# Altium PCB PCB_Template.PcbDoc (part 2 of 6)
Units mm, origin at the board's own origin, x right, y up, seen from the top; angles counter-clockwise.
Board outline 93 x 50 mm, 4 copper layers (Top Layer, Int1 (GND), Int2 (PWR), Bottom Layer), stack 1.369 mm thick; 176 components, 236 nets, 978 pads, 657 vias.
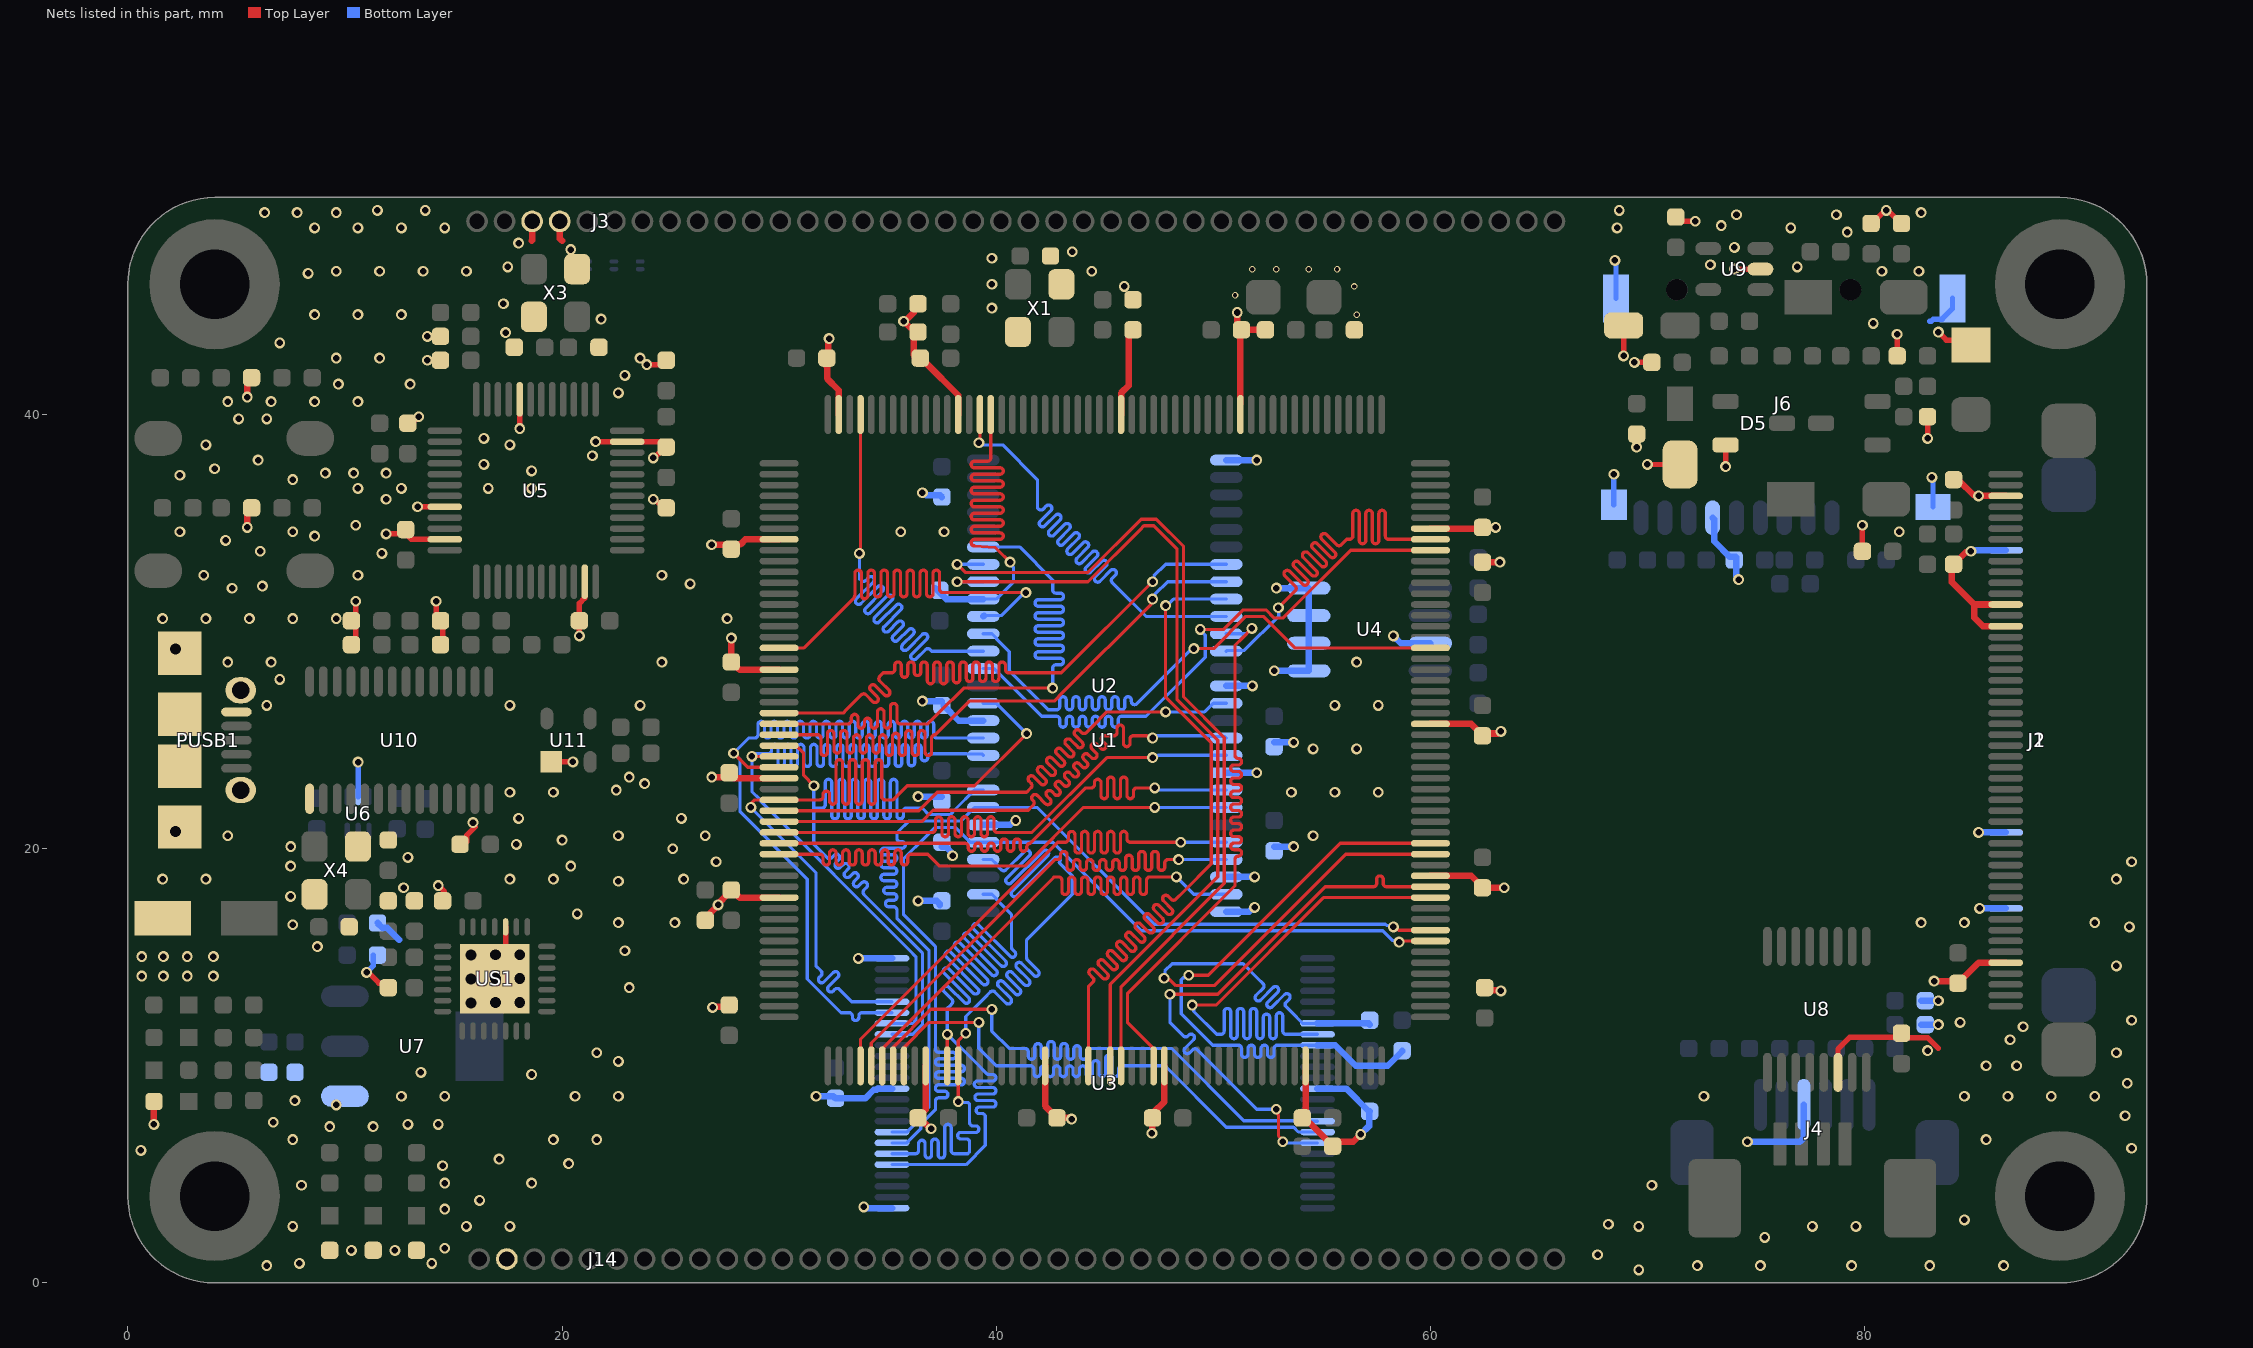
[diagram p4: the nets of this part, all layers, seen from the top]

## Via types
v1: diameter 0.5, hole 0.3, Top Layer to Bottom Layer, tented both sides, 457 vias
v2: diameter 0.5/0.5 (per signal layer), hole 0.3, Top Layer to Bottom Layer, tented both sides, 152 vias
v3: diameter 0.8, hole 0.5, Top Layer to Bottom Layer, 32 vias
v4: diameter 0.7/0.5 (per signal layer), hole 0.5, Top Layer to Bottom Layer, tented both sides, 9 vias
v5: diameter 0.3, hole 0.2, Top Layer to Bottom Layer, tented both sides, 7 vias

## Nets (pads, with @x,y where several pads share a name; then routed paths per layer and width w, separated by ;. In a path a pad name is that pad's centre, name@x,y a point inside that pad or via, vN(x,y) a via of type N, cw(c..) or ccw(c..) an arc to the next point about the centre after c; other vN are vias at no path point) (continued)
FMC_A9: U1.76 U2.34 | length 39
  Top Layer w0.15: U1.76@30,26.25 32.95,26.25 33.1,26.4 33.789,27.089 cw(c33.895,26.983) 34.002,27.089 34.312,26.779 ccw(c34.418,26.885) 34.525,26.779 ccw(c34.418,26.885) 34.525,26.991 34.213,27.302 cw(c34.319,27.408) 34.213,27.514 cw(c34.319,27.408) 34.425,27.514 34.851,27.088 ccw(c34.957,27.195) 35.063,27.088 ccw(c34.957,27.195) 35.063,27.301 34.638,27.726 cw(c34.744,27.832) 34.638,27.938 34.8,28.1 35.1,28.1 35.175,28.1 ccw(c35.175,28.25) 35.325,28.25 35.325,28.45 cw(c35.475,28.45) 35.625,28.45 35.625,28.047 ccw(c35.775,28.047) 35.925,28.047 35.925,28.45 cw(c36.075,28.45) 36.225,28.45 36.225,28.125 ccw(c36.375,28.125) 36.525,28.125 36.525,28.45 cw(c36.675,28.45) 36.825,28.45 36.825,27.75 ccw(c36.975,27.75) 37.125,27.75 37.125,28.45 cw(c37.275,28.45) 37.425,28.45 37.425,27.75 ccw(c37.575,27.75) 37.725,27.75 37.725,28.45 cw(c37.875,28.45) 38.025,28.45 38.025,27.794 ccw(c38.175,27.794) 38.325,27.794 38.325,28.45 cw(c38.475,28.45) 38.625,28.45 38.625,27.85 ccw(c38.775,27.85) 38.925,27.85 38.925,28.45 cw(c39.075,28.45) 39.225,28.45 39.225,27.85 ccw(c39.375,27.85) 39.525,27.85 39.525,28.45 cw(c39.675,28.45) 39.825,28.45 39.825,27.85 ccw(c39.975,27.85) 40.125,27.85 40.125,28.45 cw(c40.275,28.45) 40.425,28.45 40.425,28.25 ccw(c40.575,28.25) 40.575,28.1 41.003,28.1 43,28.1 v1(47.2,32.3)
  Bottom Layer w0.15: v1(47.2,32.3) 47.267,32.367 47.267,32.567 47.8,33.1 U2.34@50.6,33.1
FMC_A10: U1.77 U2.22 | length 39.5
  Top Layer w0.15: U1.77@30,25.75 32.504,25.75 33.179,25.75 ccw(c33.179,25.9) 33.329,25.9 33.329,26.039 cw(c33.479,26.039) 33.629,26.039 33.629,25.7 ccw(c33.779,25.7) 33.929,25.7 33.929,25.861 cw(c34.079,25.861) 34.229,25.861 34.229,25.7 ccw(c34.379,25.7) 34.529,25.7 34.529,26.297 cw(c34.679,26.297) 34.829,26.297 34.829,25.7 ccw(c34.979,25.7) 35.129,25.7 35.129,26.545 cw(c35.279,26.545) 35.429,26.545 35.429,25.9 ccw(c35.579,25.9) 35.579,25.75 36.85,25.75 37.4,26.3 38.5,27.4 v1(42.6,27.4)
  Bottom Layer w0.15: U2.22@39.4,33.9 41.074,33.9 42.6,32.374 42.6,31.997 42.6,31.922 ccw(c42.75,31.922) 42.75,31.772 42.95,31.772 cw(c42.95,31.622) 42.95,31.472 41.939,31.472 ccw(c41.939,31.322) 41.939,31.172 42.95,31.172 cw(c42.95,31.022) 42.95,30.872 41.939,30.872 ccw(c41.939,30.722) 41.939,30.572 42.95,30.572 cw(c42.95,30.422) 42.95,30.272 41.939,30.272 ccw(c41.939,30.122) 41.939,29.972 42.95,29.972 cw(c42.95,29.822) 42.95,29.672 41.939,29.672 ccw(c41.939,29.522) 41.939,29.372 42.95,29.372 cw(c42.95,29.222) 42.95,29.072 41.939,29.072 ccw(c41.939,28.922) 41.939,28.772 42.95,28.772 cw(c42.95,28.622) 42.95,28.472 42.75,28.472 ccw(c42.75,28.322) 42.6,28.322 42.6,27.8 v1(42.6,27.4)
FMC_A11: U1.78 U2.35 | length 39.5
  Top Layer w0.15: U1.78@30,25.25 31.4,25.25 31.775,25.25 cw(c31.775,25.1) 31.925,25.1 31.925,24.44 ccw(c32.075,24.44) 32.225,24.44 32.225,25.3 cw(c32.375,25.3) 32.525,25.3 32.525,24.552 ccw(c32.675,24.552) 32.825,24.552 32.825,25.3 cw(c32.975,25.3) 33.125,25.3 33.125,24.552 ccw(c33.275,24.552) 33.425,24.552 33.425,25.1 cw(c33.575,25.1) 33.725,25.1 33.725,24.552 ccw(c33.875,24.552) 34.025,24.552 34.025,25.1 cw(c34.175,25.1) 34.325,25.1 34.325,24.552 ccw(c34.475,24.552) 34.625,24.552 34.625,25.1 cw(c34.775,25.1) 34.925,25.1 34.925,24.44 ccw(c35.075,24.44) 35.225,24.44 35.225,25.171 cw(c35.375,25.171) 35.525,25.171 35.525,24.44 ccw(c35.675,24.44) 35.825,24.44 35.825,25.3 cw(c35.975,25.3) 36.125,25.3 36.125,24.44 ccw(c36.275,24.44) 36.425,24.44 36.425,25.3 cw(c36.575,25.3) 36.725,25.3 36.725,24.44 ccw(c36.875,24.44) 37.025,24.44 37.025,25.1 cw(c37.175,25.1) 37.175,25.25 37.2,25.25 37.568,25.617 38.75,26.8 42.672,26.8 43.075,27.203 47.133,31.261 47.133,31.433 v1(47.2,31.5)
  Bottom Layer w0.15: v1(47.2,31.5) 47.2,31.594 47.335,31.73 47.335,31.735 47.9,32.3 U2.35@50.6,32.3
FMC_A12: U1.129 U2.36 | length 39.4
  Top Layer w0.15: U1.129@44.25,10 44.25,13.65 44.4,13.8 44.453,13.853 ccw(c44.347,13.959) 44.453,14.065 44.312,14.207 cw(c44.418,14.313) 44.312,14.419 cw(c44.418,14.313) 44.524,14.419 44.903,14.039 ccw(c45.009,14.146) 45.115,14.039 ccw(c45.009,14.146) 45.115,14.252 44.736,14.631 cw(c44.842,14.737) 44.736,14.843 cw(c44.842,14.737) 44.948,14.843 45.327,14.464 ccw(c45.433,14.57) 45.539,14.464 ccw(c45.433,14.57) 45.539,14.676 45.16,15.055 cw(c45.266,15.161) 45.16,15.267 cw(c45.266,15.161) 45.372,15.267 45.752,14.888 ccw(c45.858,14.994) 45.964,14.888 ccw(c45.858,14.994) 45.964,15.1 45.584,15.479 cw(c45.69,15.585) 45.584,15.692 cw(c45.69,15.585) 45.797,15.692 46.176,15.312 ccw(c46.282,15.418) 46.388,15.312 ccw(c46.282,15.418) 46.388,15.524 46.009,15.904 cw(c46.115,16.01) 46.009,16.116 cw(c46.115,16.01) 46.221,16.116 46.6,15.736 ccw(c46.706,15.843) 46.812,15.736 ccw(c46.706,15.843) 46.812,15.949 46.433,16.328 cw(c46.539,16.434) 46.433,16.54 cw(c46.539,16.434) 46.645,16.54 47.024,16.161 ccw(c47.13,16.267) 47.236,16.161 ccw(c47.13,16.267) 47.236,16.373 46.857,16.752 cw(c46.963,16.858) 46.857,16.964 cw(c46.963,16.858) 47.069,16.964 47.449,16.585 ccw(c47.555,16.691) 47.661,16.585 ccw(c47.555,16.691) 47.661,16.797 47.281,17.176 cw(c47.388,17.283) 47.281,17.389 cw(c47.388,17.283) 47.494,17.389 47.873,17.009 ccw(c47.979,17.115) 48.085,17.009 ccw(c47.979,17.115) 48.085,17.221 47.706,17.601 cw(c47.812,17.707) 47.706,17.813 cw(c47.812,17.707) 47.918,17.813 48.059,17.671 ccw(c48.165,17.777) 48.271,17.671 48.63,18.03 49.9,19.3 49.9,24.872 47.8,26.972 v1(47.8,31.2)
  Bottom Layer w0.15: v1(47.8,31.2) 47.863,31.2 48.163,31.5 U2.36@50.6,31.5
FMC_ALE: U1.112 U3.17 | length 29.8
  Top Layer w0.15: U1.112@35.75,10 35.779,10.029 35.779,10.879 36.9,12 v1(39.2,12)
  Bottom Layer w0.15: v1(39.2,12) 39.2,10.8 40,10 41.3,10 41.586,10 cw(c41.586,9.85) 41.736,9.85 41.736,9.65 ccw(c41.886,9.65) 42.036,9.65 42.036,9.85 cw(c42.186,9.85) 42.336,9.85 42.336,9.65 ccw(c42.486,9.65) 42.636,9.65 42.636,9.85 cw(c42.786,9.85) 42.936,9.85 42.936,9.65 ccw(c43.086,9.65) 43.236,9.65 43.236,9.85 cw(c43.386,9.85) 43.536,9.85 43.536,9.65 ccw(c43.686,9.65) 43.836,9.65 43.836,9.85 cw(c43.986,9.85) 44.136,9.85 44.136,9.65 ccw(c44.286,9.65) 44.436,9.65 44.436,10.09 cw(c44.586,10.09) 44.736,10.09 44.736,9.65 ccw(c44.886,9.65) 45.036,9.65 45.036,10.35 cw(c45.186,10.35) 45.336,10.35 45.336,9.65 ccw(c45.486,9.65) 45.636,9.65 45.636,9.85 cw(c45.786,9.85) 45.786,10 45.861,10 47.775,10 50.6,7.175 53.697,7.175 53.921,6.951 54.799,6.951 U3.17@54.8,6.95
FMC_BA0: U1.131 U2.20 | length 39.5
  Top Layer w0.15: v1(38.2,32.3) 44.228,32.3 46.628,34.7 46.803,34.875 47.252,34.875 48.331,33.797 48.331,26.866 50.2,24.996 50.2,18.7 45.25,13.75 U1.131@45.25,10
  Bottom Layer w0.15: v1(38.2,32.3) U2.20@39.4,32.3
FMC_BA1: U1.132 U2.21 | length 40
  Top Layer w0.15: v1(38.2,33.1) 38.575,32.725 44.229,32.725 46.679,35.175 47.376,35.175 48.631,33.921 48.631,26.99 50.5,25.12 50.5,18.4 45.75,13.65 U1.132@45.75,10
  Bottom Layer w0.15: v1(38.2,33.1) U2.21@39.4,33.1
FMC_CLE: U1.111 U3.16 | length 29.4
  Top Layer w0.15: U1.111@35.25,10 35.279,10.029 35.279,10.885 36.994,12.6 v1(39.8,12.6)
  Bottom Layer w0.15: v1(39.8,12.6) 39.8,11.6 40.6,10.8 40.9,10.8 41.325,10.8 cw(c41.325,10.65) 41.475,10.65 41.475,10.45 ccw(c41.625,10.45) 41.775,10.45 41.775,10.875 cw(c41.925,10.875) 42.075,10.875 42.075,10.45 ccw(c42.225,10.45) 42.375,10.45 42.375,10.975 cw(c42.525,10.975) 42.675,10.975 42.675,10.45 ccw(c42.825,10.45) 42.975,10.45 42.975,10.879 cw(c43.125,10.879) 43.275,10.879 43.275,10.45 ccw(c43.425,10.45) 43.575,10.45 43.575,10.775 cw(c43.725,10.775) 43.875,10.775 43.875,10.45 ccw(c44.025,10.45) 44.175,10.45 44.175,10.65 cw(c44.325,10.65) 44.325,10.8 44.4,10.8 48.075,10.8 51.4,7.475 53.821,7.475 53.846,7.45 U3.16@54.8,7.45
FMC_D0: U1.116 U2.2 U3.29 | length 48.9
  Top Layer w0.15: U1.116@37.75,10 v1(37.75,11.45)
  Bottom Layer w0.15: U3.29@35.2,5.45 38.611,5.45 39.5,6.339 39.5,7.575 39.5,7.65 ccw(c39.35,7.65) 39.35,7.8 39.225,7.8 cw(c39.225,7.95) 39.225,8.1 39.837,8.1 ccw(c39.837,8.25) 39.837,8.4 39.169,8.4 cw(c39.169,8.55) 39.169,8.7 39.837,8.7 ccw(c39.837,8.85) 39.837,9 39.137,9 cw(c39.137,9.15) 39.137,9.3 39.837,9.3 ccw(c39.837,9.45) 39.837,9.6 39.662,9.6 cw(c39.662,9.75) 39.556,9.644 39.069,10.131 v1(37.75,11.45) 37.75,12.65 37.9,12.8 37.953,12.853 ccw(c37.847,12.959) 37.953,13.065 37.606,13.412 cw(c37.712,13.518) 37.606,13.624 cw(c37.712,13.518) 37.818,13.624 38.519,12.924 ccw(c38.625,13.03) 38.731,12.924 ccw(c38.625,13.03) 38.731,13.136 37.606,14.261 cw(c37.712,14.367) 37.606,14.473 cw(c37.712,14.367) 37.818,14.473 38.943,13.348 ccw(c39.049,13.454) 39.155,13.348 ccw(c39.049,13.454) 39.155,13.56 37.691,15.025 cw(c37.797,15.131) 37.691,15.237 cw(c37.797,15.131) 37.903,15.237 39.367,13.772 ccw(c39.473,13.878) 39.579,13.772 ccw(c39.473,13.878) 39.579,13.984 38.115,15.449 cw(c38.221,15.555) 38.115,15.661 cw(c38.221,15.555) 38.327,15.661 39.792,14.197 ccw(c39.898,14.303) 40.004,14.197 ccw(c39.898,14.303) 40.004,14.409 38.539,15.873 cw(c38.645,15.979) 38.539,16.085 cw(c38.645,15.979) 38.751,16.085 40.216,14.621 ccw(c40.322,14.727) 40.428,14.621 ccw(c40.322,14.727) 40.428,14.833 38.963,16.297 cw(c39.07,16.403) 38.963,16.51 cw(c39.07,16.403) 39.176,16.51 40.64,15.045 ccw(c40.746,15.151) 40.852,15.045 ccw(c40.746,15.151) 40.852,15.257 40.744,15.365 cw(c40.85,15.472) 40.7,15.472 40.7,16 40.7,16.972 40.022,17.65 40.022,17.684 39.805,17.9 U2.2@39.4,17.9
FMC_D1: U1.117 U2.4 U3.30 | length 47.4
  Top Layer w0.15: v1(38.25,8.35) 38.25,11.15 v1(38.6,11.5)
  Bottom Layer w0.15: U3.30@35.2,5.95 36.2,5.95 36.275,5.95 ccw(c36.275,6.1) 36.425,6.1 36.425,6.42 cw(c36.575,6.42) 36.725,6.42 36.725,5.9 ccw(c36.875,5.9) 37.025,5.9 37.025,6.475 cw(c37.175,6.475) 37.325,6.475 37.325,5.9 ccw(c37.475,5.9) 37.625,5.9 37.625,7.153 cw(c37.775,7.153) 37.925,7.153 37.925,6.1 ccw(c38.075,6.1) 38.075,5.95 38.687,5.95 38.7,5.963 38.775,6.038 38.775,6.144 38.775,6.481 ccw(c38.625,6.481) 38.625,6.631 38.375,6.631 cw(c38.375,6.781) 38.375,6.931 39.05,6.931 ccw(c39.05,7.081) 39.05,7.231 38.925,7.231 cw(c38.925,7.381) 38.775,7.381 38.775,8.056 38.775,8.225 38.686,8.314 38.286,8.314 v1(38.25,8.35) ; v1(38.6,11.5) 38.6,12.272 39.464,13.136 39.729,13.401 cw(c39.835,13.295) 39.941,13.401 40.449,12.894 ccw(c40.555,13) 40.661,12.894 ccw(c40.555,13) 40.661,13.106 40.105,13.662 cw(c40.211,13.768) 40.105,13.874 cw(c40.211,13.768) 40.317,13.874 40.873,13.318 ccw(c40.979,13.424) 41.085,13.318 ccw(c40.979,13.424) 41.085,13.53 40.529,14.086 cw(c40.635,14.192) 40.529,14.298 cw(c40.635,14.192) 40.742,14.298 41.297,13.742 ccw(c41.403,13.848) 41.51,13.742 ccw(c41.403,13.848) 41.51,13.954 40.954,14.51 cw(c41.06,14.616) 40.954,14.722 cw(c41.06,14.616) 41.166,14.722 41.722,14.166 ccw(c41.828,14.272) 41.934,14.166 ccw(c41.828,14.272) 41.934,14.379 41.444,14.868 cw(c41.55,14.974) 41.4,14.974 41.4,15.8 43.5,17.9 43.5,18.764 42.902,19.362 ccw(c42.795,19.468) 42.902,19.574 ccw(c42.796,19.468) 42.689,19.574 40.946,17.831 cw(c40.84,17.937) 40.734,17.831 cw(c40.84,17.937) 40.734,18.043 42.373,19.682 ccw(c42.267,19.788) 42.373,19.894 ccw(c42.267,19.788) 42.161,19.894 40.693,18.426 cw(c40.587,18.533) 40.481,18.426 cw(c40.587,18.533) 40.481,18.639 41.524,19.682 ccw(c41.418,19.788) 41.524,19.894 ccw(c41.418,19.788) 41.312,19.894 40.451,19.033 cw(c40.345,19.139) 40.239,19.033 40.186,19.086 40.022,19.25 40.022,19.284 39.805,19.5 U2.4@39.4,19.5
FMC_D2: U1.164 U2.5 U3.31 | length 49.4
  Top Layer w0.15: v1(58.558,15.7) 58.607,15.75 U1.164@60,15.75
  Bottom Layer w0.15: U3.31@35.2,6.45 35.88,6.45 36.525,7.095 36.525,7.297 37.2,7.972 37.2,8 37.2,8.375 cw(c37.35,8.375) 37.35,8.525 37.625,8.525 ccw(c37.625,8.675) 37.625,8.825 37.35,8.825 cw(c37.35,8.975) 37.35,9.125 38.388,9.125 ccw(c38.388,9.275) 38.388,9.425 37.35,9.425 cw(c37.35,9.575) 37.35,9.725 38.388,9.725 ccw(c38.388,9.875) 38.388,10.025 37.35,10.025 cw(c37.35,10.175) 37.35,10.325 38.001,10.325 ccw(c38.001,10.475) 38.001,10.625 37.35,10.625 cw(c37.35,10.775) 37.2,10.775 37.2,11.312 37.2,15.5 37.025,15.675 ; 37.024,15.675 36.775,15.924 35.725,16.975 35.725,19.526 36.775,20.576 37.174,20.975 38.13,20.975 38.805,20.3 42.6,20.3 46.675,16.225 57.803,16.225 58.261,15.767 58.491,15.767 v1(58.558,15.7)
FMC_D3: U1.165 U2.7 U3.32 | length 48.9
  Top Layer w0.15: v1(58.3,16.4) 58.395,16.4 58.545,16.25 U1.165@60,16.25
  Bottom Layer w0.15: U3.32@35.2,6.95 35.88,6.95 36.225,7.295 36.225,7.421 36.9,8.096 36.9,15.324 35.425,16.799 35.425,17.1 35.425,17.175 ccw(c35.275,17.175) 35.275,17.325 35.049,17.325 cw(c35.049,17.475) 35.049,17.625 35.275,17.625 ccw(c35.275,17.775) 35.275,17.925 34.97,17.925 cw(c34.97,18.075) 34.97,18.225 35.275,18.225 ccw(c35.275,18.375) 35.275,18.525 34.837,18.525 cw(c34.837,18.675) 34.837,18.825 35.275,18.825 ccw(c35.275,18.975) 35.275,19.125 34.837,19.125 cw(c34.837,19.275) 34.837,19.425 35.275,19.425 ccw(c35.275,19.575) 35.275,19.725 34.837,19.725 cw(c34.837,19.875) 34.837,20.025 35.661,20.025 ccw(c35.661,20.175) 35.661,20.325 35.575,20.325 cw(c35.575,20.475) 35.425,20.475 35.425,20.725 35.5,20.8 35.975,21.275 38.37,21.275 38.761,21.667 38.995,21.9 41.9,21.9 47.275,16.525 57.928,16.525 57.986,16.467 58.233,16.467 v1(58.3,16.4)
FMC_D4: U1.79 U2.8 U3.41 | length 49.1
  Top Layer w0.15: U1.79@30,24.75 30.78,24.75 31.125,24.405 31.125,23.375 v1(31.6,22.9)
  Bottom Layer w0.15: v1(31.6,22.9) 31.6,21.875 ; U3.41@35.2,11.45 36.15,11.45 36.6,11.9 36.6,15.2 34.6,17.2 33.911,17.889 cw(c34.017,17.996) 33.911,18.102 34.028,18.219 ccw(c33.922,18.325) 34.028,18.431 ccw(c33.922,18.325) 33.816,18.431 33.676,18.291 cw(c33.57,18.397) 33.464,18.291 cw(c33.57,18.397) 33.464,18.503 33.604,18.644 ccw(c33.498,18.75) 33.604,18.856 ccw(c33.498,18.75) 33.392,18.856 33.251,18.715 cw(c33.145,18.821) 33.039,18.715 cw(c33.145,18.821) 33.039,18.927 33.18,19.068 ccw(c33.074,19.174) 33.18,19.28 ccw(c33.074,19.174) 32.968,19.28 32.827,19.14 cw(c32.721,19.246) 32.615,19.14 cw(c32.721,19.246) 32.615,19.352 32.756,19.492 ccw(c32.649,19.598) 32.756,19.704 ccw(c32.649,19.598) 32.543,19.704 32.426,19.586 cw(c32.32,19.693) 32.214,19.586 31.817,19.983 31.6,20.2 31.6,21.875 ; U2.8@39.4,22.7 38.995,22.7 38.125,21.83 38.125,21.824 37.876,21.575 36.9,21.575 36.6,21.875 35.875,21.875 ccw(c35.875,21.725) 35.725,21.725 35.725,21.525 cw(c35.575,21.525) 35.425,21.525 35.425,23.046 ccw(c35.275,23.046) 35.125,23.046 35.125,21.525 cw(c34.975,21.525) 34.825,21.525 34.825,23.046 ccw(c34.675,23.046) 34.525,23.046 34.525,21.525 cw(c34.375,21.525) 34.225,21.525 34.225,23.046 ccw(c34.075,23.046) 33.925,23.046 33.925,21.525 cw(c33.775,21.525) 33.625,21.525 33.625,23.046 ccw(c33.475,23.046) 33.325,23.046 33.325,21.525 cw(c33.175,21.525) 33.025,21.525 33.025,23.046 ccw(c32.875,23.046) 32.725,23.046 32.725,21.525 cw(c32.575,21.525) 32.425,21.525 32.425,23.046 ccw(c32.275,23.046) 32.125,23.046 32.125,22.025 cw(c31.975,22.025) 31.975,21.875 31.9,21.875 31.6,21.875
FMC_D5: U1.80 U2.10 U3.42 | length 49.1
  Top Layer w0.15: v1(28.75,24.25) U1.80@30,24.25
  Bottom Layer w0.15: U3.42@35.2,11.95 36.15,11.95 36.3,12.1 36.3,15.03 36.005,15.325 29.075,22.255 29.075,22.297 28.75,22.621 v1(28.75,24.25) 28.845,24.25 28.971,24.375 29.422,24.375 29.497,24.375 ccw(c29.497,24.525) 29.647,24.525 29.647,24.657 cw(c29.797,24.657) 29.947,24.657 29.947,23.939 ccw(c30.097,23.939) 30.247,23.939 30.247,24.657 cw(c30.397,24.657) 30.547,24.657 30.547,23.939 ccw(c30.697,23.939) 30.847,23.939 30.847,24.657 cw(c30.997,24.657) 31.147,24.657 31.147,23.939 ccw(c31.297,23.939) 31.447,23.939 31.447,24.657 cw(c31.597,24.657) 31.747,24.657 31.747,23.939 ccw(c31.897,23.939) 32.047,23.939 32.047,24.657 cw(c32.197,24.657) 32.347,24.657 32.347,23.939 ccw(c32.497,23.939) 32.647,23.939 32.647,24.657 cw(c32.797,24.657) 32.947,24.657 32.947,23.939 ccw(c33.097,23.939) 33.247,23.939 33.247,24.657 cw(c33.397,24.657) 33.547,24.657 33.547,23.939 ccw(c33.697,23.939) 33.847,23.939 33.847,24.657 cw(c33.997,24.657) 34.147,24.657 34.147,23.939 ccw(c34.297,23.939) 34.447,23.939 34.447,24.657 cw(c34.597,24.657) 34.747,24.657 34.747,23.939 ccw(c34.897,23.939) 35.047,23.939 35.047,24.657 cw(c35.197,24.657) 35.347,24.657 35.347,23.939 ccw(c35.497,23.939) 35.647,23.939 35.647,24.657 cw(c35.797,24.657) 35.947,24.657 35.947,23.968 ccw(c36.097,23.968) 36.247,23.968 36.247,24.657 cw(c36.397,24.657) 36.547,24.657 36.547,24.198 ccw(c36.697,24.198) 36.847,24.198 36.847,24.225 cw(c36.997,24.225) 36.997,24.375 37.383,24.375 38.637,24.375 38.645,24.367 39.333,24.367 U2.10@39.4,24.3
FMC_D6: U1.81 U2.11 U3.43 | length 48.9
  Top Layer w0.15: v1@27.901,24.4 28.552,23.75 U1.81@30,23.75
  Bottom Layer w0.15: U3.43@35.2,12.45 34.2,12.45 33.825,12.45 ccw(c33.825,12.3) 33.675,12.3 33.675,12.237 cw(c33.525,12.237) 33.375,12.237 33.375,12.3 ccw(c33.225,12.3) 33.225,12.45 32.85,12.45 31.3,14 31.3,18.6 28.2,21.7 28.2,24.1 v1(27.9,24.4) 28.6,25.1 28.8,25.1 28.875,25.1 ccw(c28.875,25.25) 29.025,25.25 29.025,25.72 cw(c29.175,25.72) 29.325,25.72 29.325,25.25 ccw(c29.475,25.25) 29.625,25.25 29.625,25.72 cw(c29.775,25.72) 29.925,25.72 29.925,25.25 ccw(c30.075,25.25) 30.225,25.25 30.225,25.72 cw(c30.375,25.72) 30.525,25.72 30.525,25.25 ccw(c30.675,25.25) 30.825,25.25 30.825,25.72 cw(c30.975,25.72) 31.125,25.72 31.125,25.25 ccw(c31.275,25.25) 31.425,25.25 31.425,25.72 cw(c31.575,25.72) 31.725,25.72 31.725,25.25 ccw(c31.875,25.25) 32.025,25.25 32.025,25.72 cw(c32.175,25.72) 32.325,25.72 32.325,25.25 ccw(c32.475,25.25) 32.625,25.25 32.625,25.72 cw(c32.775,25.72) 32.925,25.72 32.925,25.25 ccw(c33.075,25.25) 33.225,25.25 33.225,25.72 cw(c33.375,25.72) 33.525,25.72 33.525,25.25 ccw(c33.675,25.25) 33.825,25.25 33.825,25.72 cw(c33.975,25.72) 34.125,25.72 34.125,25.25 ccw(c34.275,25.25) 34.425,25.25 34.425,25.72 cw(c34.575,25.72) 34.725,25.72 34.725,25.25 ccw(c34.875,25.25) 35.025,25.25 35.025,25.72 cw(c35.175,25.72) 35.325,25.72 35.325,25.25 ccw(c35.475,25.25) 35.625,25.25 35.625,25.72 cw(c35.775,25.72) 35.925,25.72 35.925,25.25 ccw(c36.075,25.25) 36.225,25.25 36.225,25.72 cw(c36.375,25.72) 36.525,25.72 36.525,25.25 ccw(c36.675,25.25) 36.825,25.25 36.825,25.72 cw(c36.975,25.72) 37.125,25.72 37.125,25.25 ccw(c37.275,25.25) 37.275,25.1 38.017,25.1 U2.11@39.4,25.1
FMC_D7: U1.84 U2.13 U3.44 | length 47.3
  Top Layer w0.15: v1@28.767,22.137 28.879,22.25 U1.84@30,22.25 31.2,22.25 31.875,22.25 ccw(c31.875,22.4) 32.025,22.4 32.025,22.503 cw(c32.175,22.503) 32.325,22.503 32.325,22.2 ccw(c32.475,22.2) 32.625,22.2 32.625,23.952 cw(c32.775,23.952) 32.925,23.952 32.925,22.2 ccw(c33.075,22.2) 33.225,22.2 33.225,23.952 cw(c33.375,23.952) 33.525,23.952 33.525,22.2 ccw(c33.675,22.2) 33.825,22.2 33.825,23.952 cw(c33.975,23.952) 34.125,23.952 34.125,22.2 ccw(c34.275,22.2) 34.425,22.2 34.425,23.952 cw(c34.575,23.952) 34.725,23.952 34.725,22.4 ccw(c34.875,22.4) 34.875,22.25 35.25,22.25 35.3,22.3 35.9,22.9 39,22.9 v1(41.4,25.3)
  Bottom Layer w0.15: v1(28.7,21.9) 31.7,18.9 31.7,14.6 31.72,14.58 ; 31.698,14.602 31.932,14.368 cw(c31.826,14.262) 31.932,14.156 31.856,14.08 ccw(c31.962,13.974) 31.856,13.868 ccw(c31.962,13.974) 32.068,13.868 32.497,14.298 cw(c32.603,14.192) 32.71,14.298 cw(c32.603,14.192) 32.71,14.085 32.28,13.656 ccw(c32.386,13.55) 32.28,13.444 ccw(c32.386,13.55) 32.492,13.444 32.568,13.52 cw(c32.674,13.414) 32.78,13.52 32.833,13.467 33.35,12.95 U3.44@35.2,12.95 ; U2.13@39.4,26.7 39.995,26.7 40.131,26.564 40.136,26.564 41.033,25.667 v1(41.4,25.3)
FMC_D8: U1.85 U2.42 | length 29.6
  Top Layer w0.15: U1.85@30,21.75 36.427,21.75 37.278,22.6 41.4,22.6 41.55,22.75 41.603,22.803 ccw(c41.497,22.909) 41.603,23.015 41.513,23.105 cw(c41.619,23.211) 41.513,23.317 cw(c41.619,23.211) 41.725,23.317 42.053,22.989 ccw(c42.159,23.096) 42.265,22.989 ccw(c42.159,23.096) 42.265,23.202 41.937,23.53 cw(c42.043,23.636) 41.937,23.742 cw(c42.043,23.636) 42.149,23.742 42.477,23.414 ccw(c42.583,23.52) 42.689,23.414 ccw(c42.583,23.52) 42.689,23.626 42.361,23.954 cw(c42.468,24.06) 42.361,24.166 cw(c42.468,24.06) 42.574,24.166 42.902,23.838 ccw(c43.008,23.944) 43.114,23.838 ccw(c43.008,23.944) 43.114,24.05 42.786,24.378 cw(c42.892,24.484) 42.786,24.59 cw(c42.892,24.484) 42.998,24.59 43.325,24.264 ccw(c43.431,24.37) 43.537,24.264 ccw(c43.431,24.37) 43.537,24.476 43.21,24.802 cw(c43.316,24.908) 43.21,25.014 cw(c43.316,24.908) 43.422,25.014 43.749,24.688 ccw(c43.855,24.794) 43.961,24.688 ccw(c43.855,24.794) 43.961,24.9 43.634,25.227 cw(c43.74,25.333) 43.634,25.439 cw(c43.74,25.333) 43.846,25.439 43.936,25.349 ccw(c44.043,25.455) 44.149,25.349 44.372,25.572 45.1,26.3 v1(47.8,26.3)
  Bottom Layer w0.15: v1(47.8,26.3) 49.6,26.3 49.864,26.564 49.869,26.564 50.005,26.7 U2.42@50.6,26.7
FMC_D9: U1.86 U2.44 | length 29.9
  Top Layer w0.15: U1.86@30,21.25 36.564,21.25 37.089,21.775 41.475,21.775 41.65,21.95 41.703,22.003 ccw(c41.597,22.109) 41.703,22.215 41.677,22.241 cw(c41.783,22.347) 41.677,22.453 cw(c41.783,22.347) 41.889,22.453 42.269,22.074 ccw(c42.375,22.18) 42.481,22.074 ccw(c42.375,22.18) 42.481,22.286 42.339,22.427 cw(c42.446,22.533) 42.339,22.639 cw(c42.446,22.533) 42.552,22.639 42.693,22.498 ccw(c42.799,22.604) 42.905,22.498 ccw(c42.799,22.604) 42.905,22.71 42.764,22.852 cw(c42.87,22.958) 42.764,23.064 cw(c42.87,22.958) 42.976,23.064 43.117,22.922 ccw(c43.223,23.028) 43.329,22.922 ccw(c43.223,23.028) 43.329,23.134 43.188,23.276 cw(c43.294,23.382) 43.188,23.488 cw(c43.294,23.382) 43.4,23.488 43.542,23.347 ccw(c43.648,23.453) 43.754,23.347 ccw(c43.648,23.453) 43.754,23.559 43.611,23.701 cw(c43.717,23.807) 43.611,23.914 cw(c43.717,23.807) 43.823,23.914 43.966,23.771 ccw(c44.072,23.877) 44.178,23.771 ccw(c44.072,23.877) 44.178,23.983 44.035,24.126 cw(c44.141,24.232) 44.035,24.338 cw(c44.141,24.232) 44.247,24.338 44.39,24.195 ccw(c44.496,24.301) 44.602,24.195 ccw(c44.496,24.301) 44.602,24.407 44.411,24.598 cw(c44.517,24.704) 44.411,24.81 cw(c44.517,24.704) 44.623,24.81 44.814,24.619 ccw(c44.92,24.725) 45.026,24.619 ccw(c44.92,24.725) 45.026,24.831 44.885,24.973 cw(c44.991,25.079) 44.885,25.185 44.9,25.2 45.2,25.2 45.338,25.2 45.413,25.2 ccw(c45.413,25.35) 45.563,25.35 45.563,25.55 cw(c45.713,25.55) 45.863,25.55 45.863,24.85 ccw(c46.013,24.85) 46.163,24.85 46.163,25.05 cw(c46.313,25.05) 46.313,25.2 46.7,25.2 46.937,25.2 46.97,25.167 47.133,25.167 v1(47.2,25.1)